# KiCad board AurisenseV2.kicad_pcb (continued)
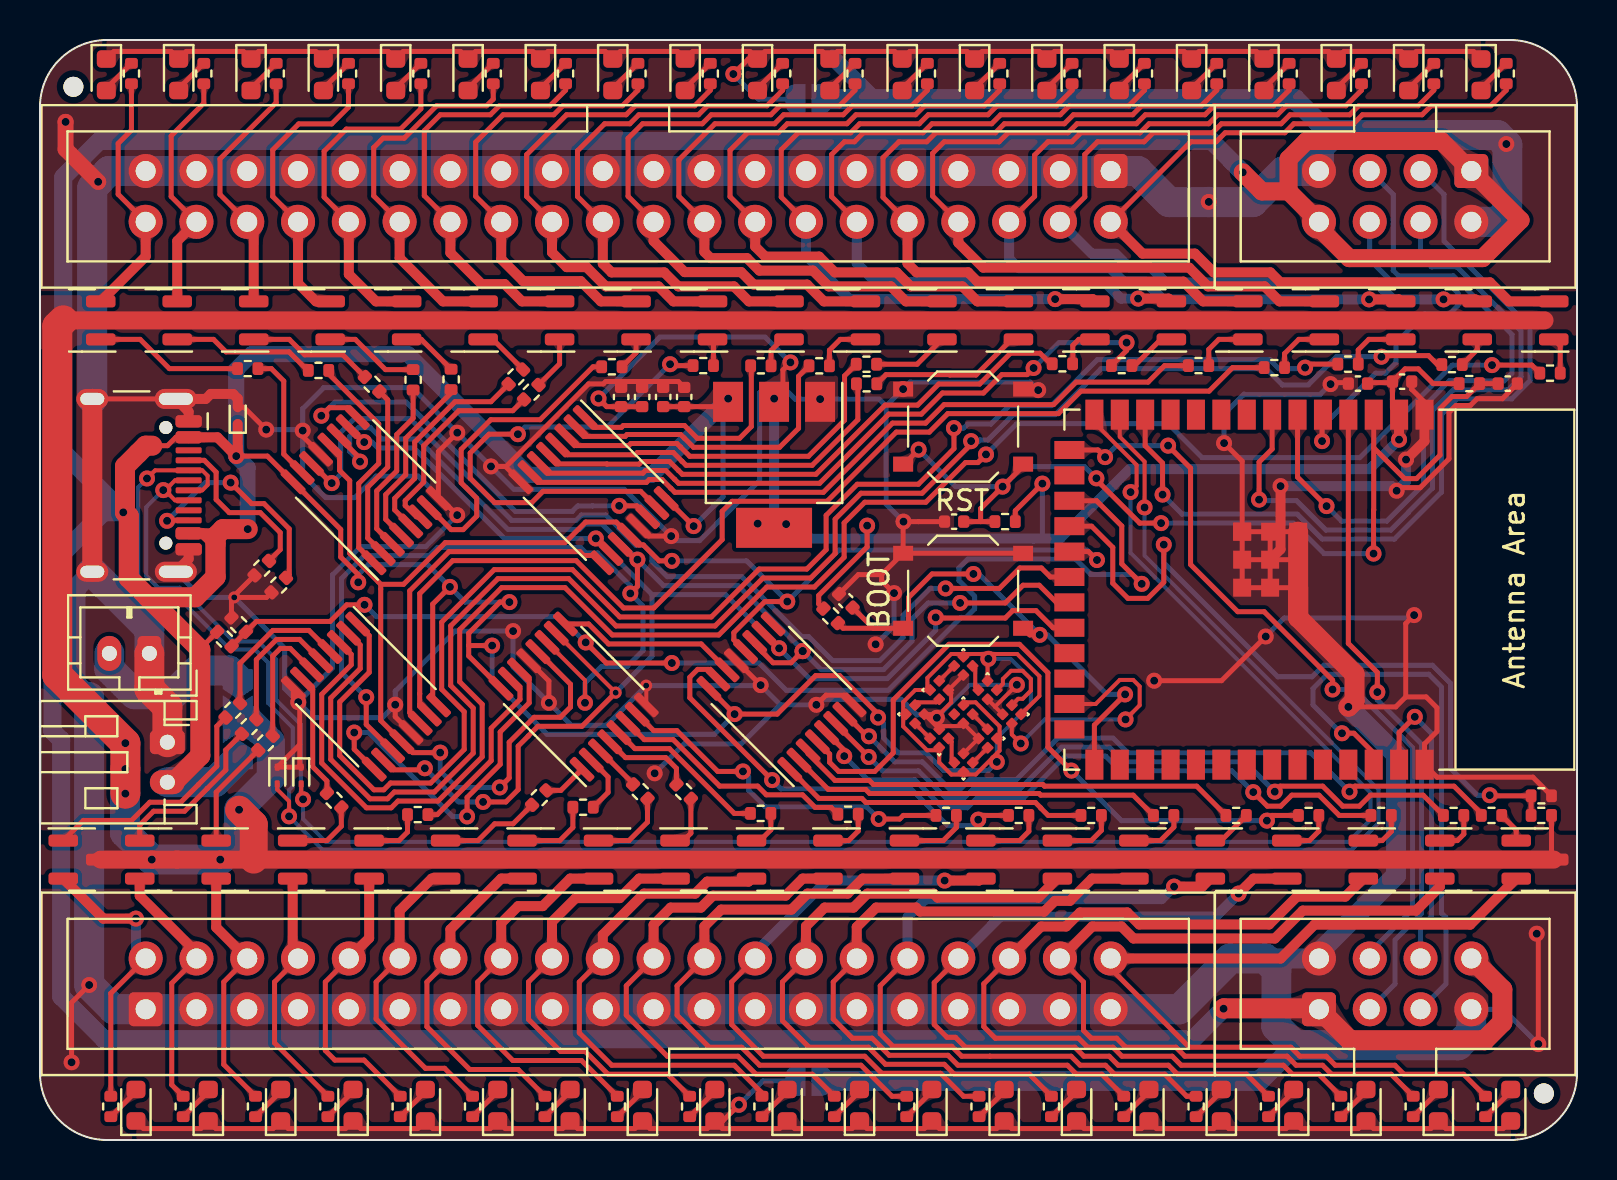
[diagram p0: board, top side]
## Routing (per net, layer and track width the routed paths; a pad name or vN(x,y) marks a point on that pad's centre or on a via; arc(x,y) is an arc through that point) (continued)
Net-(D1-A): length 1.9
  Top w0.25: D1.2 3.32,52.58 R2.2
Net-(D2-A): length 1.9
  Top w0.25: D2.2 6.93,52.58 R4.2
Net-(D3-A): length 1.9
  Top w0.25: D3.2 10.55,52.58 R6.2
Net-(D4-A): length 1.9
  Top w0.25: D4.2 14.17,52.58 R8.2
Net-(D5-A): length 1.9
  Top w0.25: D5.2 17.79,52.58 R10.2
Net-(D6-A): length 1.9
  Top w0.25: D6.2 21.41,52.58 R12.2
Net-(D7-A): length 1.9
  Top w0.25: D7.2 25.03,52.58 R14.2
Net-(D8-A): length 1.9
  Top w0.25: R16.2 28.64,52.58 D8.2
Net-(D9-A): length 1.9
  Top w0.25: R18.2 32.26,52.58 D9.2
Net-(D10-A): length 1.9
  Top w0.25: R20.2 35.88,52.58 D10.2
Net-(D11-A): length 1.9
  Top w0.25: D11.2 39.5,52.58 R22.2
Net-(D12-A): length 1.9
  Top w0.25: D12.2 43.12,52.58 R24.2
Net-(D13-A): length 1.8
  Top w0.25: 46.74,52.58 R26.2
Net-(D14-A): length 1.9
  Top w0.25: R28.2 50.35,52.58 D14.2
Net-(D15-A): length 1.9
  Top w0.25: D15.2 53.97,52.58 R30.2
Net-(D16-A): length 1.9
  Top w0.25: R32.2 57.59,52.58 D16.2
Net-(D17-A): length 1.9
  Top w0.25: R34.2 61.21,52.58 D17.2
Net-(D18-A): length 1.9
  Top w0.25: R36.2 64.83,52.58 D18.2
Net-(D19-A): length 1.9
  Top w0.25: D19.2 68.45,52.58 R38.2
Net-(D20-A): length 1.9
  Top w0.25: D20.2 72.06,52.58 R40.2
Net-(D21-A): length 1.9
  Top w0.25: R42.2 4.8,2.42 D21.2
Net-(D22-A): length 1.9
  Top w0.25: R44.2 8.42,2.42 D22.2
Net-(D23-A): length 1.9
  Top w0.25: R46.2 12.04,2.42 D23.2
Net-(D24-A): length 1.9
  Top w0.25: R48.2 15.65,2.42 D24.2
Net-(D25-A): length 1.9
  Top w0.25: R50.2 19.27,2.42 D25.2
Net-(D26-A): length 1.9
  Top w0.25: R52.2 22.89,2.42 D26.2
Net-(D27-A): length 1.9
  Top w0.25: R54.2 26.51,2.42 D27.2
Net-(D28-A): length 1.9
  Top w0.25: R56.2 30.13,2.42 D28.2
Net-(D29-A): length 1.9
  Top w0.25: R59.2 33.75,2.42 D29.2
Net-(D30-A): length 1.9
  Top w0.25: R61.2 37.36,2.42 D30.2
Net-(D31-A): length 1.9
  Top w0.25: R63.2 40.98,2.42 D31.2
Net-(D32-A): length 1.9
  Top w0.25: D32.2 44.6,2.42 R65.2
Net-(D37-A): length 1.9
  Top w0.25: R78.2 48.22,2.42 D37.2
Net-(D38-A): length 1.9
  Top w0.25: D38.2 51.84,2.42 R79.2
Net-(D39-A): length 1.9
  Top w0.25: D39.2 55.46,2.42 R80.2
Net-(D40-A): length 1.9
  Top w0.25: D40.2 59.07,2.42 R81.2
Net-(D41-A): length 1.9
  Top w0.25: R82.2 62.69,2.42 D41.2
Net-(D42-A): length 1.9
  Top w0.25: R83.2 66.31,2.42 D42.2
Net-(D43-A): length 1.9
  Top w0.25: D43.2 69.93,2.42 R84.2
Net-(D44-A): length 1.9
  Top w0.25: D44.2 73.55,2.42 R85.2
Net-(Q1-G): length 7.4
  Top w0.25: Q1.1 5.01,40.03 6.47,38.57 R1.2
Net-(Q2-G): length 7.2
  Top w0.25: Q2.1 8.68,40.03 9.3,39.41 12.46,39.41 13.38,38.48 R3.2
Net-(Q3-G): length 6.3
  Top w0.25: Q3.1 12.47,40.03 13.24,39.26 15.14,39.26 R5.2
Net-(Q4-G): length 4.8
  Top w0.25: Q4.1 15.77,40.03 17.28,38.52 R7.2
Net-(Q5-G): length 2.8
  Top w0.25: R9.2 19.07,40.03 Q5.1
Net-(Q6-G): length 2.6
  Top w0.25: R11.2 22.65,40.03 Q6.1
Net-(Q7-G): length 2.7
  Top w0.25: R13.2 25.98,38.8 Q7.1
Net-(Q8-G): length 1.7
  Top w0.25: Q8.1 29.81,39.36 R15.2
Net-(Q9-G): length 1.3
  Top w0.25: R17.2 33.68,39.99 Q9.1
Net-(Q10-G): length 1.9
  Top w0.25: R19.2 36.56,39.47 37.12,40.03 Q10.1
Net-(Q11-G): length 2.8
  Top w0.25: R21.2 39.48,39.49 40.02,40.03 Q11.1
Net-(Q12-G): length 3.8
  Top w0.25: R23.2 43.86,38.79 Q12.1
Net-(Q13-G): length 8
  Top w0.25: Q13.1 48.59,40.03 46.81,38.25 45.5,38.25 45.48,38.27 42.31,38.27 R25.2
Net-(Q14-G): length 2.2
  Top w0.25: Q14.1 51.95,40.03 51.65,39.73 51.65,38.72
Net-(Q15-G): length 2.5
  Top w0.25: Q15.1 56.05,40.03 54.74,38.72 R29.2
Net-(Q16-G): length 3
  Top w0.25: R31.2 58.45,39.53 58.95,40.03 Q16.1
Net-(Q17-G): length 3
  Top w0.25: R33.2 62.24,39.32 62.95,40.03 Q17.1
Net-(Q18-G): length 3.1
  Top w0.25: Q18.1 66.45,40.03 65.92,39.5 65.92,38.79
Net-(Q19-G): length 1.6
  Top w0.25: Q19.1 71.88,39.52 R37.2
Net-(Q20-G): length 1.8
  Top w0.25: R39.2 76.02,39.71 Q20.1
Net-(Q21-G): length 12.1
  Top w0.25: R41.2 8.84,20.69 8.84,18.69 7.91,17.76 7.91,17.76 7.04,16.89 5.49,16.89 4.58,15.98 2.17,15.98 Q21.1 1.42,14.97
Net-(Q22-G): length 8.4
  Top w0.25: Q22.1 4.99,15.75 5.68,16.44 7.23,16.44 8.36,17.57 8.36,17.58 9.29,18.51 9.29,19.5 R43.2
Net-(Q23-G): length 5.4
  Top w0.25: Q23.1 8.81,17.39 R45.2
Net-(Q24-G): length 3.7
  Top w0.25: R47.2 15.07,15.69 14.35,14.97 Q24.1
Net-(Q25-G): length 3
  Top w0.25: R49.2 18.38,15.4 17.95,14.97 Q25.1
Net-(Q26-G): length 5.1
  Top w0.25: R51.2 23.66,15.81 22.74,15.81 21.9,14.97 Q26.1
Net-(Q27-G): length 3.8
  Top w0.25: Q27.1 25.99,14.97 26.65,15.63 R53.2
Net-(Q28-G): length 4
  Top w0.25: R55.2 30.38,15.9 29.45,14.97 Q28.1
Net-(Q29-G): length 2.7
  Top w0.25: R57.2 32.55,15.34 32.18,14.97 Q29.1
Net-(Q30-G): length 2
  Top w0.25: Q30.1 36.01,14.97 36.55,15.51 R60.2
Net-(Q31-G): length 2.6
  Top w0.25: R62.2 40.92,15.45 40.44,14.97 Q31.1
Net-(Q32-G): length 3.5
  Top w0.25: Q32.1 45.17,14.97 45.83,15.63 R64.2
Net-(Q33-G): length 3.4
  Top w0.25: R70.2 49.45,15.43 48.99,14.97 Q33.1
Net-(Q34-G): length 3.2
  Top w0.25: Q34.1 52.57,14.97 53.08,15.48 R71.2
Net-(Q35-G): length 2.9
  Top w0.25: Q35.1 56.03,14.97 56.7,15.64 R72.2
Net-(Q36-G): length 2.3
  Top w0.25: R73.2 59.07,14.97 Q36.1
Net-(Q37-G): length 2.6
  Top w0.25: R74.2 63.95,15.44 63.48,14.97 Q37.1
Net-(Q38-G): length 2.4
  Top w0.25: R75.2 67.58,15.43 67.12,14.97 Q38.1
Net-(Q39-G): length 2.3
  Top w0.25: R76.2 71.2,15.29 70.88,14.97 Q39.1
Net-(Q40-G): length 2
  Top w0.25: 74.31,14.97 Q40.1 73.83,15.5 R77.2
Net-(U2-QA): length 6.5
  Top w0.25: R1.1 11.57,38.57 12.19,37.95 12.19,34.29 U2.15
Net-(U2-QB): length 11.4
  Top w0.25: U2.1 15.94,29.63 15.94,32.83 16.94,33.83 16.94,35.8 14.44,38.3 R3.1
Net-(U2-QC): length 9
  Top w0.25: U2.2 16.39,30.1 16.39,32.64 17.39,33.64 17.39,37.01 R5.1
Net-(U2-QD): length 8.8
  Top w0.25: U2.3 16.84,30.57 16.84,32.45 17.84,33.45 17.84,35.27 18.66,36.09 R7.1
Net-(U2-QE): length 9
  Top w0.25: U2.4 17.29,31.03 17.29,32.27 18.29,33.27 18.29,35.08 20.56,37.35 R9.1
Net-(U2-QF): length 10.8
  Top w0.25: R11.1 22.55,36.91 20.76,36.91 18.74,34.9 18.74,33.08 17.74,32.08 17.74,31.5 U2.5
Net-(U2-QG): length 10.3
  Top w0.25: U2.6 18.83,31.16 18.26,31.72 18.26,31.97 19.19,32.89 19.19,34.71 20.94,36.46 23.64,36.46 R13.1
Net-(U2-QH): length 15.5
  Top w0.25: R15.1 27.66,38.66 25.01,36.02 22.54,36.02 21.06,34.54 21.06,32.86 21.84,32.08 21.84,31.19 21.16,30.52 20.56,30.52 U2.7
Net-(U4-QA): length 21.6
  Top w0.25: v1(46.92,16.02) 47.13,16.23 R70.1 ; v1(36.61,17.99) 32.5,22.11 32.5,23.14 32.89,23.53 33.42,23.53 U4.15
  Bottom w0.25: v1(46.92,16.02) 46.62,15.72 45.4,15.72 43.56,17.56 37.05,17.56 v1(36.61,17.99)
Net-(U4-QB): length 15.5
  Top w0.25: R71.1 50.41,16.23 50.05,16.6 50.05,16.6 49.78,16.87 41.3,16.87 41.1,17.08 38.95,17.08 U4.1
Net-(U4-QC): length 18.9
  Top w0.25: U4.2 39.42,17.53 41.29,17.53 41.49,17.32 49.96,17.32 50.05,17.24 54.67,17.24 R72.1
Net-(U4-QD): length 22.3
  Top w0.25: U4.3 38.41,19.32 39.75,17.98 41.47,17.98 41.68,17.77 50.15,17.77 50.23,17.69 57.85,17.69 R73.1
Net-(U4-QE): length 35
  Top w0.25: U4.4 39.49,19.3 39.49,18.88 39.94,18.43 41.74,18.43 42.67,19.35 42.67,22 45.45,24.78 48.98,24.78 50.4,23.36 50.4,19.64 v1(51.58,18.47) ; R74.1 61.62,16.23 v1(61.36,15.97)
  Bottom w0.25: v1(61.36,15.97) 54.08,15.97 v1(51.58,18.47)
Net-(U4-QF): length 31.7
  Top w0.25: R75.1 64.97,16.23 63.96,17.24 62.6,17.24 62.05,16.69 61.38,16.69 v1(60.67,17.39) ; v1(40.22,19.19) 40.22,19.49 U4.5
  Bottom w0.25: v1(40.22,19.19) 41.4,18.01 43.75,18.01 45.15,16.61 46.37,16.61 46.88,17.12 49.21,17.12 51.28,19.19 53.29,19.19 54.02,18.46 59.61,18.46 v1(60.67,17.39)
Net-(U4-QG): length 35.1
  Top w0.25: R76.1 69.17,17.24 66.53,17.24 65.98,16.69 65.15,16.69 64.15,17.69 62.02,17.69 v1(61.75,17.42) ; U4.6 39.79,20.81 v1(41.44,19.15)
  Bottom w0.25: v1(41.44,19.15) 42.14,18.46 43.93,18.46 45.33,17.06 46.18,17.06 46.69,17.57 49.02,17.57 51.09,19.64 53.48,19.64 54.21,18.91 60.26,18.91 v1(61.75,17.42)
Net-(U4-QH): length 36.4
  Top w0.25: v1(41.46,20.19) 41.36,20.19 U4.7 ; v1(65.49,17.42) 65.76,17.69 70.71,17.69 72.08,16.32 R77.1
  Bottom w0.25: v1(65.49,17.42) 63.54,19.36 54.4,19.36 53.66,20.09 50.91,20.09 48.83,18.02 46.51,18.02 46,17.51 45.52,17.51 44.12,18.91 42.74,18.91 41.46,20.19 v1(41.46,20.19)
Net-(U5-DOUT): length 4.3
  Top w0.2: 47.85,22.49 U7.4 48.15,22.8 48.15,23.05 48.56,23.46 49.14,23.46 49.55,23.05 49.55,22.47 49.14,22.06 48.92,22.06 U5.1 48.59,21.74
Net-(U6-QA): length 24.7
  Top w0.25: v1(23.9,35.29) 22.46,35.29 21.51,34.35 21.51,33.09 22.74,31.87 24.59,31.87 25.15,32.43 30.04,32.43 U6.15 ; R17.1 31.58,38.72 v1(31.51,38.79)
  Bottom w0.25: v1(23.9,35.29) 24.26,35.65 28.37,35.65 v1(31.51,38.79)
Net-(U6-QB): length 12.1
  Top w0.25: R19.1 35.57,38.68 35.57,35.67 34.98,35.08 32.87,35.08 32.23,35.73 29.17,35.73 29.08,35.63 27.76,35.63 U6.1
Net-(U6-QC): length 15.4
  Top w0.25: R21.1 37.93,38.18 37.93,35.58 36.98,34.63 32.68,34.63 32.22,35.09 32.22,35.09 32.04,35.28 29.36,35.28 29.26,35.18 27.29,35.18 U6.2
Net-(U6-QD): length 18.2
  Top w0.25: U6.3 26.83,34.72 29.44,34.72 29.55,34.83 31.85,34.83 32.03,34.64 32.04,34.64 32.5,34.18 38.43,34.18 40.23,35.99 40.23,38.2 R23.1
Net-(U6-QE): length 18.3
  Top w0.25: R25.1 40.9,37.74 40.9,36.02 38.62,33.73 32.31,33.73 32.11,33.93 32.11,33.93 31.67,34.38 29.87,34.38 29.76,34.26 26.37,34.26 U6.4
Net-(U6-QF): length 28.5
  Top w0.25: U6.5 25.91,33.8 28.35,33.8 28.36,33.79 29.96,33.79 30.1,33.93 31.48,33.93 31.92,33.48 31.92,33.48 32.12,33.28 38.8,33.28 42.26,36.74 43.89,36.74 44.94,37.8 46.99,37.8 48.53,39.34 50.01,39.34 50.63,38.72
Net-(U6-QG): length 34.3
  Top w0.25: v1(49.69,38.6) 49.36,38.27 48.1,38.27 47.18,37.35 45.13,37.35 44.08,36.29 42.45,36.29 38.99,32.83 31.94,32.83 31.74,33.03 31.73,33.03 31.29,33.48 30.28,33.48 30.15,33.34 25.45,33.34 U6.6 ; v1(54.34,39.87) 54.34,39.47 R29.1
  Bottom w0.25: v1(49.69,38.6) 50.96,39.87 v1(54.34,39.87)
Net-(U6-QH): length 36.1
  Top w0.25: R31.1 56.24,38.72 55.41,37.89 51.81,37.89 50.69,36.77 45.21,36.77 44.29,35.84 42.63,35.84 39.17,32.38 31.75,32.38 31.55,32.58 31.55,32.58 31.11,33.03 30.47,33.03 30.33,32.88 24.99,32.88 U6.7
Net-(U7-DOUT): length 1.3
  Top w0.2: U7.1 46.77,22.65 46.77,23.57 U8.4
Net-(U9-QA): length 55.9
  Top w0.25: U9.15 18.99,21.78 18.99,22.31 18.99,22.31 18.99,27.32 20.64,28.97 26.81,28.97 29.18,26.6 30.7,26.6 34.11,30.02 34.11,31.43 34.61,31.93 39.36,31.93 42.82,35.39 44.47,35.39 45.4,36.32 50.93,36.32 52.06,37.44 58.46,37.44 59.64,38.62 R33.1
Net-(U9-QB): length 76.1
  Top w0.25: v1(45.71,35.59) 45.71,34.57 43.93,32.79 40.87,32.79 39.31,31.23 39.31,29.51 38.35,28.55 35.97,28.55 33.57,26.15 28.99,26.15 26.63,28.52 22.72,28.52 20.09,25.89 20.09,22.54 21.21,21.41 21.21,19.53 19.54,17.85 17.53,17.85 17.19,17.51 16.7,17.51 14.99,19.22 14.99,21.9 16.46,23.38 16.46,25.22 U9.1 ; v1(63.26,38.62) 63.44,38.79 R35.1
  Bottom w0.25: v1(63.26,38.62) 63.21,38.57 61.95,38.57 61.5,39.02 52.88,39.02 50.58,36.72 48.48,36.72 47.55,35.79 46.39,35.79 46.19,35.59 v1(45.71,35.59)
Net-(U9-QC): length 82
  Top w0.25: v1(46.56,34.94) 46.56,34.79 44.11,32.34 41.06,32.34 39.76,31.04 39.76,29.32 38.54,28.1 36.15,28.1 33.76,25.7 28.81,25.7 26.44,28.07 22.9,28.07 20.54,25.71 20.54,22.72 21.66,21.6 21.66,19.34 19.72,17.4 17.72,17.4 17.38,17.06 16.51,17.06 14.54,19.03 14.54,22.1 16.01,23.57 16.01,24.75 U9.2 ; v1(67.08,39.16) 67.14,39.22 69.44,39.22 69.89,38.77 R37.1
  Bottom w0.25: v1(67.08,39.16) 64.83,39.16 63.42,37.75 62.14,37.75 61.32,38.57 53.06,38.57 50.76,36.27 48.66,36.27 47.4,35 47.01,35 46.95,34.94 v1(46.56,34.94)
Net-(U9-QD): length 87.8
  Top w0.25: v1(47.31,34.28) 46.9,33.87 46.28,33.87 44.3,31.89 41.24,31.89 40.21,30.86 40.21,29.14 38.72,27.65 36.34,27.65 33.95,25.25 28.62,25.25 26.25,27.62 23.09,27.62 20.99,25.52 20.99,22.91 22.11,21.78 22.11,19.16 19.91,16.95 17.9,16.95 17.56,16.61 16.33,16.61 14.09,18.85 14.09,22.28 15.56,23.76 15.56,24.28 U9.3 ; R39.1 74.6,38.74 v1(72.61,38.74)
  Bottom w0.25: v1(72.61,38.74) 70.63,38.74 66,34.12 58.11,34.12 56.41,35.82 48.85,35.82 v1(47.31,34.28)
Net-(U9-QE): length 7.6
  Top w0.25: R41.1 10,23.84 11.65,25.48 13.45,25.48 U9.4
Net-(U9-QF): length 7.1
  Top w0.25: U9.5 12.98,25.03 11.83,25.03 10.82,24.02 R43.1
Net-(U9-QG): length 6.5
  Top w0.25: U9.6 12.51,24.58 12.02,24.58 11.64,24.2 R45.1
Net-(U9-QH): length 6.2
  Top w0.25: R47.1 14.35,17.95 13.64,18.66 13.64,22.53 U9.7
Net-(U10-DIN): length 1.1
  Top w0.2: U10.4 U8.1
Net-(U10-DOUT): length 1.3
  Top w0.2: U10.1 44.81,21.88 43.89,21.88 U12.4
Net-(U11-QA): length 9.2
  Top w0.25: U11.15 24,22.56 24,22.03 22.56,20.59 22.56,18.97 19.86,16.27 R49.1
Net-(U11-QB): length 2.2
  Top w0.25: R51.1 26.05,17.48 U11.1
Net-(U11-QC): length 3
  Top w0.25: R53.1 28.41,17.38 28.41,18.15 U11.2
Net-(U11-QD): length 2.4
  Top w0.25: U11.3 29.66,17.82 R55.1
Net-(U11-QE): length 4.7
  Top w0.25: R57.1 31.83,18.58 31.29,19.12 29.28,19.12 U11.4
Net-(U11-QF): length 8.3
  Top w0.25: R60.1 34.72,16.33 31.48,19.57 29.75,19.57 U11.5
Net-(U11-QG): length 12.4
  Top w0.25: U11.6 30.22,20.02 31.66,20.02 33.99,17.69 35.89,17.69 36.32,17.26 38.13,17.26 38.76,16.63 39.56,16.63 R62.1
Net-(U11-QH): length 17.6
  Top w0.25: v1(41.94,16.05) 42.99,16.05 43.17,16.23 R64.1 ; U11.7 30.69,20.47 31.85,20.47 33.89,18.43 v1(35.15,18.43)
  Bottom w0.25: v1(35.15,18.43) 35.44,18.14 35.44,17.48 36.26,16.66 41.33,16.66 v1(41.94,16.05)
Net-(U12-DOUT): length 1.1
  Top w0.2: U12.1 U13.4
Net-(U13-DOUT): length 1.3
  Top w0.2: U14.4 45.59,19 45.59,19.92 U13.1
Net-(U14-DOUT): length 1.1
  Top w0.2: U14.1 U15.4
Net-(U15-DOUT): length 1.1
  Top w0.2: U15.1 U16.4

## Copper pours and planes (outline as drawn; the poured copper is in the pictures)
GND on Top: 77.1,12.55 77.44,-1.09 -1.27,-0.89 -0.24,12.56
GND on Top: -0.24,15.48 -0.16,39.52 76.96,39.52 77.1,15.46
GND on Top: -0.16,42.45 -1.02,56.17 77.72,56.11 76.96,42.43
GND on Bottom: -2.96,57.63 80.03,57.34 80.03,-3.59 -3.24,-2.45
LED 1-20 on Top: 3.33,54.39 72.07,54.39 72.06,55.46 3.32,55.4
LED 21-40 on Top: 73.56,0.58 4.81,0.59 4.82,-0.48 73.56,-0.42
V Motor on Top: -0.16,42.45 76.96,42.43 76.96,39.52 -0.16,39.52
V Motor on Top: -0.24,15.48 77.1,15.46 77.1,12.55 -0.24,12.56

Small or netless copper shapes (teardrops, artwork), in the pictures only: 673 on Top, 140 on Bottom

## Text on the board
B.Silkscreen: GND | 5V/USB | 5V | LED 21-40 | LED 1-20 | VIN | Aurisense V2
F.Silkscreen: RST | BOOT
